# Altium PCB CoinCraftA1.PcbDoc (part 3 of 7) (continued)
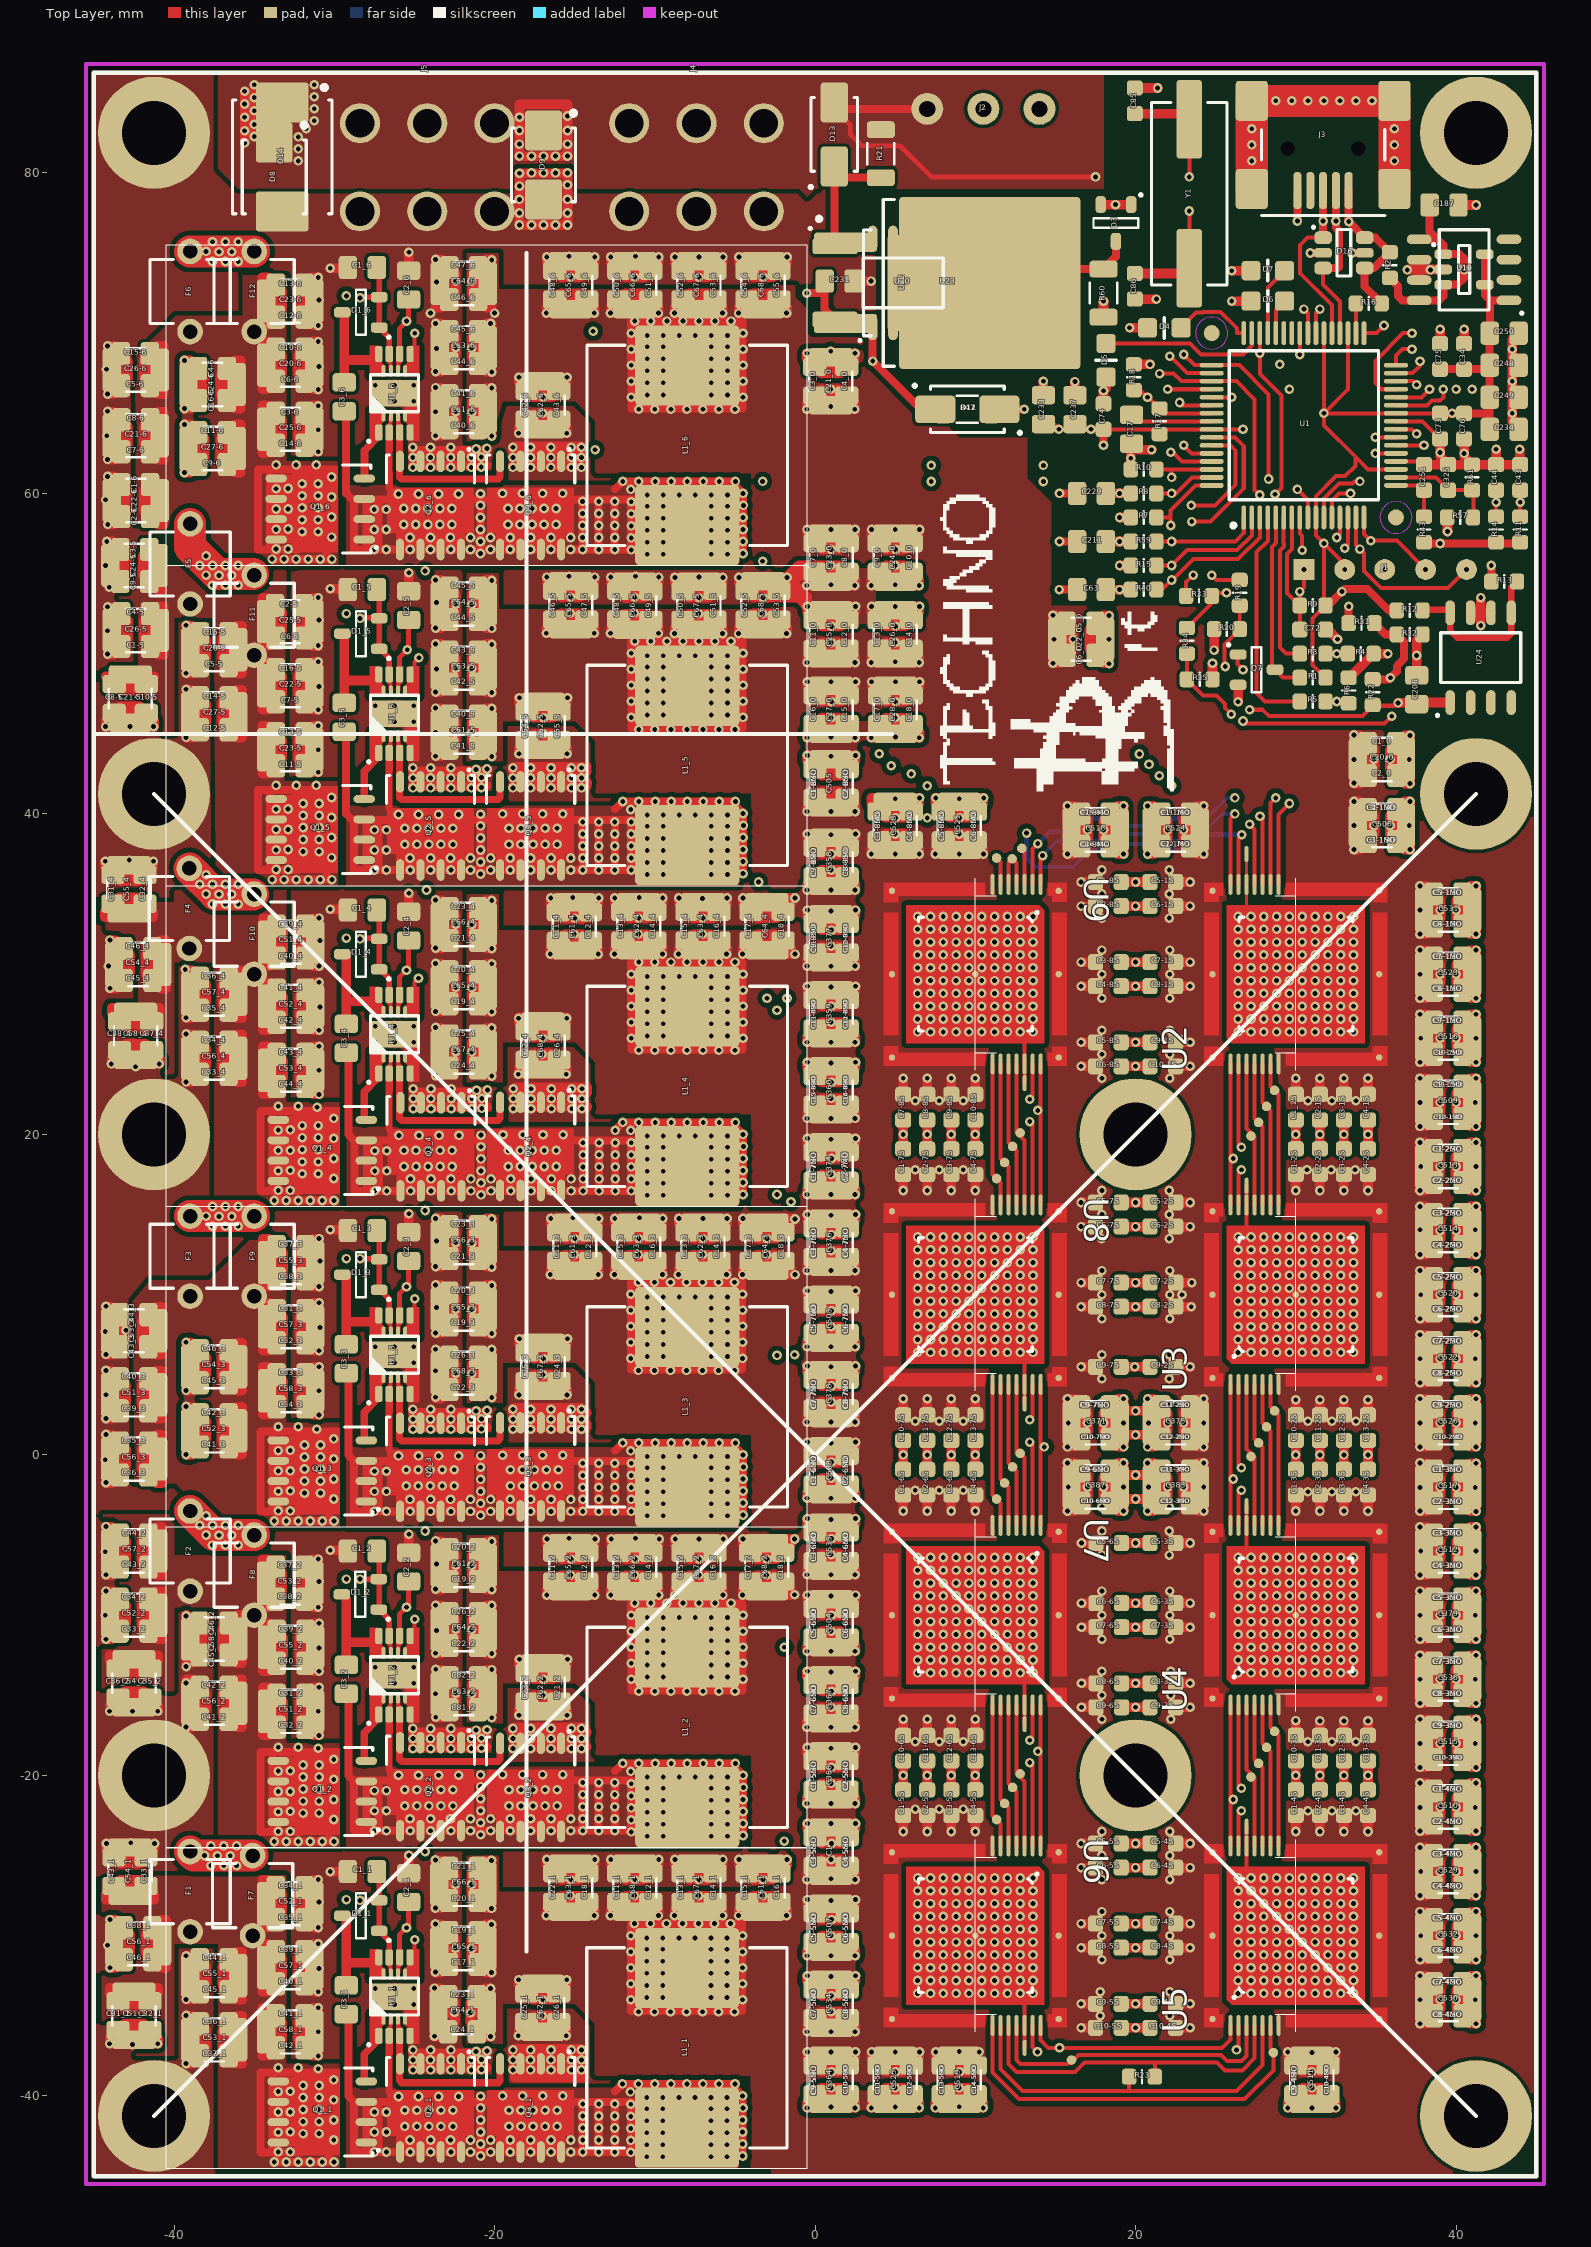
[diagram p0: Top Layer view]
## Nets (pads, with @x,y where several pads share a name; then routed paths per layer and width w, separated by ;. In a path a pad name is that pad's centre, name@x,y a point inside that pad or via, vN(x,y) a via of type N, cw(c..) or ccw(c..) an arc to the next point about the centre after c; other vN are vias at no path point) (continued)
  Top Layer w0.6: C41_5.1@-20.602,43.673 -21.428,44.5 v1@-21.428,45.1 ; C64_1.1@-20.5,-34.8 v1(-21.5,-34.8) ; C65_1.1@-20.444,-30.8 v1(-21.444,-30.8) ; C66_1.1@-20.444,-26.8 v1(-21.444,-26.8) ; C66_3.1@-20.429,13.25 v1@-21.429,13.25 ; C64_2.1@-20.428,-10.9 v1(-21.428,-10.9) ; C61_2.1@-20.429,-6.9 v1(-21.429,-6.9) ; C68_3.1@-20.429,5 v1@-21.429,5 ; C65_3.1@-20.429,9.1 v1@-21.429,9.1 ; C67_4.1@-20.429,25.148 v1(-21.429,25.148) ; C65_4.1@-20.429,29.15 v1(-21.429,29.15) ; C66_4.1@-20.429,33.1 v1(-21.429,33.1) ; C61_5.1@-20.428,45.1 v1@-21.428,45.1 ; C63_5.1@-20.428,49.1 v1@-21.428,49.1 ; C64_5.1@-20.429,53.1 v1@-21.429,53.1 ; C61_6.1@-20.429,65.1 v1@-21.429,65.1 ; C63_6.1@-20.429,69.1 v1@-21.429,69.1 ; C64_6.1@-20.429,73.1 v1@-21.429,73.1 ; C63_2.1@-20.425,-14.9 v1(-21.425,-14.9) ; v1@-20.178,43.6 -20.178,46.6 -20.528,46.6 C40_5.1@-21.028,46.1 -21.428,45.7 v1@-21.428,45.1 ; C62_1.1@-17,-33 v1(-17,-34) ; C68_4.1@-17,27.05 v1@-17,26.05 ; C62_6.1@-17,67 v1@-17,66 ; C62_5.1@-16.975,47 v1@-16.975,46 ; C62_2.1@-16.974,-13 v1@-16.974,-14 ; C67_3.1@-16.974,6.998 v1@-16.974,5.998 ; C63_1.1@-15.25,-28.5 v1@-15.25,-27.5 ; C65_2.1@-15.25,-8.5 v1(-15.25,-7.5) ; C65_5.1@-15.25,51.525 v1@-15.25,52.525 ; C65_6.1@-15.25,71.5 -15.25,72.5 ; C61_4.1@-15.025,31.475 v1@-15.025,32.475 ; C61_3.1@-15,11.5 v1@-15,12.5 ; C68_1.1@-11.25,-28.5 v1@-11.25,-27.5 ; C66_2.1@-11.25,-8.5 v1(-11.25,-7.5) ; C66_5.1@-11.25,51.5 v1@-11.25,52.5 ; C66_6.1@-11.25,71.5 -11.25,72.5 ; C63_3.1@-11,11.5 v1@-11,12.5 ; C62_4.1@-11,31.5 v1@-11,32.5 ; C67_1.1@-7.25,-28.5 v1@-7.25,-27.5 ; C67_2.1@-7.25,-8.5 v1(-7.25,-7.5) ; C67_5.1@-7.25,51.5 v1@-7.25,52.5 ; C67_6.1@-7.25,71.5 -7.25,72.5 ; C62_3.1@-7,11.5 v1@-7,12.5 ; C63_4.1@-7,31.5 v1@-7,32.5 ; C61_1.1@-3.25,-28.5 v1@-3.25,-27.5 ; C68_5.1@-3.25,51.525 v1@-3.25,52.525 ; C68_6.1@-3.25,71.5 -3.25,72.5 ; C68_2.1@-3.025,-8.5 v1(-3.025,-7.5) ; C64_3.1@-3,11.5 v1@-3,12.5 ; C64_4.1@-3,31.5 -3,32.5 ; C21_0.1@0.975,65.5 v1(0.975,66.5) ; C366.1@0.999,-18.5 v1@0.999,-19.5 ; C367.1@0.999,-16.75 v1(0.999,-15.75) ; C364.1@1,-37.5 v1@1,-38.5 ; C534.1@1,-35.75 v1(1,-34.75) ; C507.1@1,-28 v1@1,-29 ; C1.1@1,-26.25 v1@1,-25.25 ; C504.1@1,-9 v1@1,-10 ; C533.1@1,-7.225 v1(1,-6.225) ; C508.1@1,0.55 v1@1,-0.45 ; C378.1@1,2.3 v1(1,3.3) ; C503.1@1,10 v1@1,9 ; C376.1@1,11.75 v1(1,12.75) ; C374.1@1,19.5 v1@1,18.5 ; C360.1@1,21.25 v1(1,22.25) ; C359.1@1,29 v1@1,28 ; C377.1@1,30.75 v1(1,31.75) ; C358.1@1,38.5 v1@1,37.5 ; C505.1@1,40.4 1,41.4 ; C27_0.1@1,48 v1@1,47 ; C25_0.1@1,49.7 v1(1,50.7) ; C23_0.1@1,57.5 v1(1,56.5) ; C525.1@5,-37.5 v1@5,-38.5 ; C528.1@5,37.75 v1(5,38.75) ; C26_0.1@5,49.7 v1(5,50.7) ; C24_0.1@5,57.5 v1@5,56.5 ; C28_0.1@5.025,48 v1(5.025,47) ; C7-8S.1@5.5,22.6 v1(5.5,23.5) ; v1(5.5,-23.5) C1-5S.1@5.5,-22.6 ; C10-6S.1@5.5,-17.4 v1(5.5,-16.5) ; v1(5.5,-3.5) C1-6S.1@5.5,-2.6 ; C10-7S.1@5.501,2.6 v1(5.501,3.5) ; v1(5.5,16.5) C1-7S.1@5.5,17.4 ; C8-8S.1@6.999,22.6 v1(6.999,23.5) ; v1(7,-23.5) C2-5S.1@7,-22.6 ; C11-6S.1@7,-17.4 v1(7,-16.5) ; v1(7,-3.5) C2-6S.1@7,-2.6 ; C11-7S.1@7,2.6 v1(7,3.5) ; v1(7,16.5) C2-7S.1@7,17.4 ; v1@7.5,-37.25 7.5,-37.6 8.4,-38.5 v1@9,-38.5 ; v1(8.5,-23.5) C3-5S.1@8.5,-22.6 ; C12-6S.1@8.5,-17.4 v1(8.5,-16.5) ; v1(8.5,-3.5) C3-6S.1@8.5,-2.6 ; C12-7S.1@8.501,2.6 v1(8.501,3.5) ; v1(8.5,16.5) C3-7S.1@8.5,17.4 ; C9-8S.1@8.5,22.6 v1(8.5,23.5) ; C519.1@9,-37.5 v1@9,-38.5 ; C521.1@9.001,37.75 v1(9,38.75) ; C14-5MO.1@10,-38.1 9.599,-38.5 v1@9,-38.5 ; v1(10,-23.5) C4-5S.1@10,-22.6 ; C13-6S.1@10,-17.4 v1(10,-16.5) ; v1(10,-3.5) C4-6S.1@10,-2.6 ; v1(10,16.5) C4-7S.1@10,17.4 ; C10-8S.1@10,22.6 v1(10,23.5) ; C13-7S.1@10.001,2.6 v1(10.001,3.5) ; C22_0.1@15.1,50.9 v1(16.1,50.9) ; C387.1@16,-2 v1(17,-2) ; C371.1@16,2 v1(17,2) ; C518.1@16,39 v1(17,39) ; v1(16.6,-35.75) C10-5S.1@17.5,-35.75 ; v1(16.6,-34.25) C9-5S.1@17.5,-34.25 ; v1(16.6,-30.75) C8-5S.1@17.5,-30.75 ; v1(16.6,-29.25) C7-5S.1@17.5,-29.25 ; v1(16.6,-25.75) C6-5S.1@17.5,-25.75 ; v1(16.6,-24.25) C5-5S.1@17.5,-24.25 ; v1(16.6,5.5) C9-7S.1@17.5,5.5 ; v1(16.6,9.25) C8-7S.1@17.5,9.25 ; v1(16.6,10.75) C7-7S.1@17.5,10.75 ; v1(16.6,14.25) C6-7S.1@17.5,14.25 ; v1(16.6,15.75) C5-7S.1@17.5,15.75 ; v1(16.6,24.25) C6-8S.1@17.5,24.25 ; v1(16.6,25.75) C5-8S.1@17.5,25.75 ; v1(16.6,29.25) C4-8S.1@17.5,29.25 ; v1(16.6,30.75) C3-8S.1@17.5,30.75 ; v1(16.6,34.25) C2-8S.1@17.5,34.25 ; v1(16.6,35.75) C1-8S.1@17.5,35.75 ; v1(16.625,-15.75) C9-6S.1@17.525,-15.75 ; v1(16.625,-14.25) C8-6S.1@17.525,-14.25 ; v1(16.625,-10.75) C7-6S.1@17.525,-10.75 ; v1(16.625,-9.25) C6-6S.1@17.525,-9.25 ; v1(16.625,-5.5) C5-6S.1@17.525,-5.5 ; C10-4S.1@22.5,-35.75 v1(23.4,-35.75) ; C9-4S.1@22.5,-34.25 v1(23.4,-34.25) ; C8-4S.1@22.5,-30.75 v1(23.4,-30.75) ; C7-4S.1@22.5,-29.25 v1(23.4,-29.25) ; C6-4S.1@22.5,-25.75 v1(23.4,-25.75) ; C5-4S.1@22.5,-24.25 v1(23.4,-24.25) ; C9-3S.1@22.5,-15.75 v1(23.4,-15.75) ; C8-3S.1@22.5,-14.25 v1(23.4,-14.25) ; C7-3S.1@22.5,-10.75 v1(23.4,-10.75) ; C6-3S.1@22.5,-9.25 v1(23.4,-9.25) ; C5-3S.1@22.5,-5.5 v1(23.4,-5.5) ; C9-2S.1@22.5,5.5 v1(23.4,5.5) ; C7-2S.1@22.5,10.75 v1@23.4,10.75 ; C6-2S.1@22.5,14.25 v1(23.4,14.25) ; C5-2S.1@22.5,15.75 v1(23.4,15.75) ; C10-1S.1@22.5,24.25 v1(23.4,24.25) ; C9-1S.1@22.5,25.75 v1(23.4,25.75) ; C8-1S.1@22.5,29.25 v1(23.4,29.25) ; C7-1S.1@22.5,30.75 v1(23.4,30.75) ; C6-1S.1@22.5,34.25 v1(23.4,34.25) ; C5-1S.1@22.5,35.75 v1(23.4,35.75) ; C8-2S.1@22.575,9.25 v1(23.475,9.25) ; C383.1@24,-2 v1(23,-2) ; C375.1@24,2 v1(23,2) ; C524.1@24,39.001 v1@23,39.001 ; v1(30,-23.5) C1-4S.1@30,-22.6 ; C10-3S.1@30,-17.425 v1(30,-16.581) ; v1(30,-3.5) C1-3S.1@30,-2.6 ; C10-2S.1@30,2.543 v1(30,3.443) ; v1(30,16.5) C1-2S.1@30,17.4 ; C1_1S.1@30,22.6 v1(30,23.5) ; C511.1@31,-37.5 v1(31,-38.5) ; v1(31.5,-23.5) C2-4S.1@31.5,-22.6 ; C11-3S.1@31.5,-17.5 v1(31.5,-16.6) ; v1(31.5,-3.5) C2-3S.1@31.5,-2.6 ; C11-2S.1@31.5,2.543 v1(31.5,3.443) ; v1(31.5,16.5) C2-2S.1@31.5,17.4 ; C2-1S.1@31.5,22.6 v1(31.5,23.5) ; v1(33,-23.5) C3-4S.1@33,-22.6 ; C12-3S.1@33,-17.5 v1(33,-16.6) ; v1(33,-3.5) C3-3S.1@33,-2.6 ; C12-2S.1@33,2.543 v1(33,3.443) ; v1(33,16.5) C3-2S.1@33,17.4 ; C3-1S.1@33,22.6 v1(33,23.5) ; C506.1@33.876,39.275 v1(34.877,39.275) ; C20_0.1@33.878,43.4 v1@34.878,43.4 ; v1(34.5,-23.5) C4-4S.1@34.5,-22.6 ; v1(34.5,-3.5) C4-3S.1@34.5,-2.6 ; v1(34.5,16.5) C4-2S.1@34.5,17.4 ; C4-1S.1@34.5,22.6 v1(34.5,23.5) ; C13-3S.1@34.5,-17.5 v1(34.5,-16.6) ; C13-2S.1@34.5,2.543 v1(34.5,3.443) ; C536.1@37.966,-14 v1@38.966,-14 ; C513.1@37.966,18 v1@38.966,18 ; C530.1@38,-34 v1(39,-34) ; C532.1@38,-30 v1(39,-30) ; C529.1@38,-26 v1(39,-26) ; C510.1@38,-21.975 v1(39,-21.975) ; C515.1@38,-18 v1(39,-18) ; C379.1@38,-10 v1(39,-10) ; C512.1@38,-6 v1(39,-6) ; C517.1@38,-2.025 v1@39,-2.025 ; C526.1@38,2 v1(39,2) ; C522.1@38,6 v1(39,6) ; C520.1@38,10 v1(39,10) ; C514.1@38,14 v1(39,14) ; C509.1@38,22 v1(39,22) ; C516.1@38,26 v1(39,26) ; C523.1@38,30 v1(39,30) ; C531.1@38,34 v1(39,34) ; v1(-21.5,-34.8) -21.5,-34.2 C23_1.1@-21.1,-33.8 -20.6,-33.3 v1(-20.25,-33.3) v1(-20.25,-36.3) -20.6,-36.3 -21.5,-35.4 v1(-21.5,-34.8) ; v1(-21.444,-30.8) -21.444,-30.2 C19_1.1@-21.044,-29.8 -20.544,-29.3 v1(-20.194,-29.3) v1(-20.194,-32.3) -20.544,-32.3 -21.444,-31.4 v1(-21.444,-30.8) ; v1(-21.444,-26.8) -21.444,-26.2 C21_1.1@-21.044,-25.8 -20.544,-25.3 v1(-20.194,-25.3) v1(-20.194,-28.3) -20.544,-28.3 -21.444,-27.4 v1(-21.444,-26.8) ; v1(-21.428,-10.9) -21.428,-11.5 -20.528,-12.4 v1(-20.178,-12.4) v1(-20.178,-9.4) -20.528,-9.4 -21.428,-10.3 v1(-21.428,-10.9) ; v1(-21.429,-6.9) -21.429,-7.5 -20.529,-8.4 v1(-20.179,-8.4) v1(-20.179,-5.4) -20.529,-5.4 -21.429,-6.3 v1(-21.429,-6.9) ; v1@-21.429,5 -21.429,5.6 -20.529,6.5 -20.179,6.5 v1(-20.179,3.575) -20.322,3.718 -20.746,3.718 -21.429,4.4 v1@-21.429,5 ; v1@-21.429,9.1 -21.429,9.7 C20_3.1@-21.029,10.1 -20.529,10.6 -20.179,10.6 -20.179,7.6 -20.529,7.6 -21.429,8.5 v1@-21.429,9.1 ; v1@-21.429,13.25 -21.429,13.85 C23_3.1@-21.029,14.25 -20.529,14.75 -20.179,14.75 -20.179,11.75 -20.529,11.75 -21.429,12.65 v1@-21.429,13.25 ; v1(-21.429,25.148) -21.429,24.548 -20.529,23.648 v1(-20.179,23.648) v1(-20.179,26.648) -20.529,26.648 -21.429,25.748 v1(-21.429,25.148) ; v1(-21.429,29.15) -21.429,28.55 -20.529,27.65 v1(-20.179,27.65) v1(-20.179,30.65) -20.529,30.65 -21.429,29.75 v1(-21.429,29.15) ; v1(-21.429,33.1) -21.429,32.5 -20.529,31.6 v1(-20.179,31.6) v1(-20.179,34.6) -20.529,34.6 -21.429,33.7 v1(-21.429,33.1) ; v1@-21.428,49.1 -21.428,49.7 C43_5.1@-21.028,50.1 -20.528,50.6 -20.178,50.6 -20.178,47.6 -20.528,47.6 -21.428,48.5 v1@-21.428,49.1 ; v1@-21.429,53.1 -21.429,53.7 C45_5.1@-21.029,54.1 -20.529,54.6 -20.179,54.6 -20.179,51.6 -20.529,51.6 -21.429,52.5 v1@-21.429,53.1 ; v1@-21.429,65.1 -21.429,64.5 -20.766,63.837 -20.416,63.837 -20.179,63.6 -20.179,66.6 -20.529,66.6 -21.429,65.7 v1@-21.429,65.1 ; v1@-21.429,69.1 -21.429,68.5 -20.529,67.6 -20.179,67.6 -20.179,70.6 -20.529,70.6 -21.429,69.7 v1@-21.429,69.1 ; v1@-21.429,73.1 -21.429,72.5 -20.529,71.6 -20.179,71.6 -20.179,74.6 -20.529,74.6 -21.429,73.7 v1@-21.429,73.1 ; v1(-21.425,-14.9) -21.425,-15.5 -20.789,-16.136 -20.439,-16.136 v1(-20.175,-16.4) v1(-20.175,-13.4) -20.525,-13.4 -21.425,-14.3 v1(-21.425,-14.9) ; v1(-17,-34) -16.4,-34 -15.5,-33.1 v1(-15.5,-32.75) v1(-18.5,-32.75) -18.5,-33.1 -17.6,-34 v1(-17,-34) ; v1@-17,26.05 -16.4,26.05 -15.5,26.95 -15.5,27.3 -18.5,27.3 -18.5,26.95 -17.6,26.05 v1@-17,26.05 ; v1@-17,66 -17.6,66 -18.5,66.9 -18.5,67.25 -15.5,67.25 -15.5,66.9 -16.4,66 v1@-17,66 ; v1@-16.975,46 -16.375,46 -15.475,46.9 -15.475,47.25 -18.475,47.25 -18.475,46.9 -17.575,46 v1@-16.975,46 ; v1@-16.974,-14 -16.374,-14 -15.474,-13.1 -15.474,-12.75 -18.474,-12.75 -18.474,-13.1 -17.574,-14 v1@-16.974,-14 ; v1@-16.974,5.998 -16.374,5.998 -15.474,6.898 -15.474,7.248 -18.474,7.248 -18.474,6.898 -17.574,5.998 v1@-16.974,5.998 ; v1@-15.25,-27.5 -15.85,-27.5 -16.75,-28.4 -16.75,-28.75 -13.75,-28.75 -13.75,-28.4 -14.65,-27.5 v1@-15.25,-27.5 ; v1(-15.25,-7.5) -14.651,-7.5 -13.751,-8.4 -13.751,-8.75 -16.751,-8.75 -16.751,-8.4 -15.851,-7.5 v1(-15.25,-7.5) ; v1@-15.25,52.525 -14.65,52.525 C47_5.1@-14.25,52.125 -13.75,51.625 -13.75,51.275 -16.75,51.275 -16.75,51.625 C46_5.1@-16.25,52.125 -15.85,52.525 v1@-15.25,52.525 ; -15.25,72.5 -15.85,72.5 -16.75,71.6 -16.75,71.25 -13.75,71.25 -13.75,71.6 -14.65,72.5 -15.25,72.5 ; v1@-15.025,32.475 -14.425,32.475 C12_4.1@-14.025,32.075 -13.525,31.575 -13.525,31.225 -16.525,31.225 -16.525,31.575 -15.625,32.475 v1@-15.025,32.475 ; v1@-15,12.5 -15.6,12.5 -16.5,11.6 -16.5,11.25 -13.5,11.25 -13.5,11.6 -14.4,12.5 v1@-15,12.5 ; v1@-11.25,-27.5 -11.85,-27.5 -12.75,-28.4 -12.75,-28.75 -9.75,-28.75 -9.75,-28.4 -10.65,-27.5 v1@-11.25,-27.5 ; v1(-11.25,-7.5) -10.65,-7.5 -9.75,-8.4 v1(-9.75,-8.75) v1(-12.75,-8.75) -12.75,-8.4 -11.85,-7.5 v1(-11.25,-7.5) ; v1@-11.25,52.5 -10.65,52.5 C49_5.1@-10.25,52.1 -9.75,51.6 -9.75,51.25 -12.75,51.25 -12.75,51.6 -11.85,52.5 v1@-11.25,52.5 ; -11.25,72.5 -11.85,72.5 -12.75,71.6 -12.75,71.25 -9.75,71.25 -9.75,71.6 -10.65,72.5 -11.25,72.5 ; v1@-11,12.5 -11.6,12.5 -12.5,11.6 -12.5,11.25 -9.5,11.25 -9.5,11.6 -10.4,12.5 v1@-11,12.5 ; v1@-11,32.5 -10.4,32.5 -9.5,31.6 -9.5,31.25 -12.5,31.25 -12.5,31.6 -11.6,32.5 v1@-11,32.5 ; v1@-7.25,-27.5 -6.65,-27.5 -5.75,-28.4 -5.75,-28.75 -8.75,-28.75 -8.75,-28.4 -7.85,-27.5 v1@-7.25,-27.5 ; v1(-7.25,-7.5) -6.65,-7.5 -5.75,-8.4 v1(-5.75,-8.75) v1(-8.75,-8.75) -8.75,-8.4 -7.85,-7.5 v1(-7.25,-7.5) ; v1@-7.25,52.5 -6.65,52.5 -5.75,51.6 -5.75,51.25 -8.75,51.25 -8.75,51.6 -7.85,52.5 v1@-7.25,52.5 ; -7.25,72.5 -7.85,72.5 -8.75,71.6 -8.75,71.25 -5.75,71.25 -5.75,71.6 -6.65,72.5 -7.25,72.5 ; v1@-7,12.5 -7.6,12.5 -8.5,11.6 -8.5,11.25 -5.5,11.25 -5.5,11.6 -6.4,12.5 v1@-7,12.5 ; v1@-7,32.5 -6.4,32.5 -5.5,31.6 -5.5,31.25 -8.5,31.25 -8.5,31.6 -7.6,32.5 v1@-7,32.5 ; v1@-3.25,-27.5 -2.65,-27.5 -1.75,-28.4 -1.75,-28.75 -4.75,-28.75 -4.75,-28.4 -3.85,-27.5 v1@-3.25,-27.5 ; v1@-3.25,52.525 -2.65,52.525 C53_5.1@-2.25,52.125 -1.75,51.625 -1.75,51.275 -4.75,51.275 -4.75,51.625 -3.85,52.525 v1@-3.25,52.525 ; -3.25,72.5 -3.85,72.5 -4.75,71.6 -4.75,71.25 -1.75,71.25 -1.75,71.6 -2.65,72.5 -3.25,72.5 ; v1(-3.025,-7.5) -2.425,-7.5 -1.525,-8.4 -1.525,-8.75 v1(-4.525,-8.75) -4.525,-8.4 -3.625,-7.5 v1(-3.025,-7.5) ; v1@-3,12.5 -3.6,12.5 -4.5,11.6 -4.5,11.25 -1.5,11.25 -1.5,11.6 -2.4,12.5 v1@-3,12.5 ; -3,32.5 -2.4,32.5 -1.5,31.6 -1.5,31.25 -4.5,31.25 -4.5,31.6 -3.6,32.5 -3,32.5 ; v1(0.975,66.5) 1.575,66.5 2.475,65.6 v1(2.475,65.25) v1(-0.525,65.25) -0.525,65.6 0.375,66.5 v1(0.975,66.5) ; v1@0.999,-19.5 0.399,-19.5 -0.501,-18.6 -0.501,-18.25 2.499,-18.25 2.499,-18.6 1.599,-19.5 v1@0.999,-19.5 ; v1(0.999,-15.75) 0.399,-15.75 -0.501,-16.65 v1(-0.501,-17) v1(2.499,-17) 2.499,-16.65 1.599,-15.75 v1(0.999,-15.75) ; v1@1,-38.5 0.4,-38.5 C9-5MO.1@0,-38.1 -0.5,-37.6 -0.5,-37.25 2.5,-37.25 2.5,-37.6 1.6,-38.5 v1@1,-38.5 ; v1(1,-34.75) 0.4,-34.75 -0.5,-35.65 v1(-0.5,-36) v1(2.5,-36) 2.5,-35.65 1.6,-34.75 v1(1,-34.75) ; v1@1,-29 0.4,-29 C5-5MO.1@0,-28.6 -0.5,-28.1 -0.5,-27.75 2.5,-27.75 2.5,-28.1 1.6,-29 v1@1,-29 ; v1@1,-25.25 0.4,-25.25 -0.5,-26.15 v1(-0.501,-26.5) v1(2.499,-26.5) 2.5,-26.15 1.6,-25.25 v1@1,-25.25 ; v1@1,-10 0.4,-10 -0.5,-9.1 -0.5,-8.75 2.5,-8.75 2.5,-9.1 1.6,-10 v1@1,-10 ; v1(1,-6.225) 0.4,-6.225 -0.5,-7.125 v1(-0.5,-7.475) v1(2.5,-7.475) 2.5,-7.125 1.6,-6.225 v1(1,-6.225) ; v1@1,-0.45 0.4,-0.45 -0.5,0.45 -0.5,0.8 2.5,0.8 2.5,0.45 1.6,-0.45 v1@1,-0.45 ; v1(1,3.3) 0.4,3.3 -0.5,2.4 v1(-0.5,2.05) v1(2.5,2.05) 2.5,2.4 1.6,3.3 v1(1,3.3) ; v1@1,9 0.4,9 C5-7MO.1@0,9.4 -0.5,9.9 -0.5,10.25 2.5,10.25 2.5,9.9 1.6,9 v1@1,9 ; v1(1,12.75) 0.4,12.75 -0.5,11.85 v1(-0.5,11.5) v1(2.5,11.5) 2.5,11.85 1.6,12.75 v1(1,12.75) ; v1@1,18.5 0.4,18.5 C1-7MO.1@0,18.9 -0.5,19.4 -0.5,19.75 2.5,19.75 2.5,19.4 C2-7MO.1@2,18.9 1.6,18.5 v1@1,18.5 ; v1(1,22.25) 0.4,22.25 -0.5,21.35 v1(-0.5,21) v1(2.5,21) 2.5,21.35 1.6,22.25 v1(1,22.25) ; v1@1,28 0.4,28 C13-8MO.1@0,28.4 -0.5,28.9 -0.5,29.25 2.5,29.25 2.5,28.9 1.6,28 v1@1,28 ; v1(1,31.75) 0.4,31.75 -0.5,30.85 v1(-0.5,30.5) v1(2.5,30.5) 2.5,30.85 1.6,31.75 v1(1,31.75) ; v1@1,37.5 0.4,37.5 -0.5,38.4 -0.5,38.75 2.5,38.75 2.5,38.4 1.6,37.5 v1@1,37.5 ; 1,41.4 1.6,41.4 2.5,40.5 v1(2.5,40.15) v1(-0.5,40.15) -0.5,40.5 C1-8MO.1@0,41 0.4,41.4 1,41.4 ; v1@1,47 1.6,47 2.5,47.9 2.5,48.25 -0.5,48.25 -0.5,47.9 0.4,47 v1@1,47 ; v1(1,50.7) 1.6,50.7 2.5,49.8 v1(2.5,49.45) v1(-0.5,49.45) -0.5,49.8 0.4,50.7 v1(1,50.7) ; v1(1,56.5) 1.6,56.5 2.5,57.4 v1(2.5,57.75) v1(-0.5,57.75) -0.5,57.4 0.4,56.5 v1(1,56.5) ; v1@5,-38.5 4.4,-38.5 3.5,-37.6 3.5,-37.25 6.5,-37.25 6.5,-37.6 5.6,-38.5 v1@5,-38.5 ; v1(5,38.75) 5.6,38.75 C4-8MO.1@6,38.35 6.5,37.85 v1(6.5,37.5) v1(3.5,37.5) 3.5,37.85 4.4,38.75 v1(5,38.75) ; v1(5,50.7) 5.6,50.7 6.5,49.8 v1(6.5,49.45) v1(3.5,49.45) 3.5,49.8 4.4,50.7 v1(5,50.7) ; v1@5,56.5 5.6,56.5 6.5,57.4 6.5,57.75 3.5,57.75 3.5,57.4 4.4,56.5 v1@5,56.5 ; v1(5.025,47) 5.625,47 6.525,47.9 v1(6.525,48.25) v1(3.525,48.25) 3.525,47.9 4.425,47 v1(5.025,47) ; v1(9,38.75) 9.6,38.75 10.5,37.85 v1(10.5,37.5) v1(7.5,37.5) 7.5,37.85 8.401,38.75 v1(9,38.75) ; v1(16.1,50.9) 16.1,50.3 15.2,49.4 v1(14.85,49.4) v1(14.85,52.4) 15.2,52.4 16.1,51.5 v1(16.1,50.9) ; v1(17,-2) 17,-2.6 16.1,-3.5 v1(15.75,-3.5) v1(15.75,-0.5) 16.1,-0.5 17,-1.4 v1(17,-2) ; v1(17,2) 17,1.4 16.1,0.5 v1(15.75,0.5) v1(15.75,3.5) 16.1,3.5 17,2.6 v1(17,2) ; v1(17,39) 17,39.6 16.1,40.5 v1(15.75,40.5) v1(15.75,37.5) 16.1,37.5 17,38.4 v1(17,39) ; v1(23,-2) 23,-2.6 23.9,-3.5 v1(24.25,-3.5) v1(24.25,-0.5) 23.9,-0.5 23,-1.4 v1(23,-2) ; v1(23,2) 23,1.4 23.9,0.5 v1(24.25,0.5) v1(24.25,3.5) 23.9,3.5 23,2.6 v1(23,2) ; v1@23,39.001 23,38.401 23.9,37.501 v1(24.25,37.5) v1(24.25,40.5) 23.9,40.501 23,39.601 v1@23,39.001 ; v1(31,-38.5) 30.4,-38.5 29.5,-37.6 v1(29.5,-37.25) 32.5,-37.25 32.5,-37.6 31.6,-38.5 v1(31,-38.5) ; v1(34.877,39.275) 34.876,39.875 33.976,40.775 v1(33.627,40.775) v1(33.627,37.775) 33.976,37.775 34.876,38.675 v1(34.877,39.275) ; v1@34.878,43.4 34.878,42.8 33.978,41.9 33.628,41.9 33.628,44.9 33.978,44.9 34.878,44 v1@34.878,43.4 ; v1@38.966,-14 38.966,-14.6 38.066,-15.5 37.716,-15.5 37.716,-12.5 38.066,-12.5 38.966,-13.4 v1@38.966,-14 ; v1@38.966,18 38.966,17.4 38.066,16.5 37.716,16.5 37.716,19.5 38.066,19.5 38.966,18.6 v1@38.966,18 ; v1(39,-34) 39,-34.6 38.1,-35.5 v1(37.75,-35.5) v1(37.75,-32.5) 38.1,-32.5 39,-33.4 v1(39,-34) ; v1(39,-30) 39,-30.6 C6-4MO.1@38.6,-31 38.1,-31.5 v1(37.75,-31.5) v1(37.75,-28.5) 38.1,-28.5 C5-4MO.1@38.6,-29 39,-29.4 v1(39,-30) ; v1(39,-26) 39,-26.6 38.1,-27.5 v1(37.75,-27.5) v1(37.75,-24.5) 38.1,-24.5 39,-25.4 v1(39,-26) ; v1(39,-21.975) 39,-22.575 38.1,-23.475 v1(37.75,-23.475) v1(37.75,-20.475) 38.1,-20.475 39,-21.375 v1(39,-21.975) ; v1(39,-18) 39,-18.6 38.1,-19.5 v1(37.75,-19.5) v1(37.75,-16.5) 38.1,-16.5 39,-17.4 v1(39,-18) ; v1(39,-10) 39,-10.6 C6-3MO.1@38.6,-11 38.1,-11.5 v1(37.75,-11.5) v1(37.75,-8.5) 38.1,-8.5 C5-3MO.1@38.6,-9 39,-9.4 v1(39,-10) ; v1(39,-6) 39,-6.6 C4-3MO.1@38.6,-7 38.1,-7.5 v1(37.75,-7.5) v1(37.75,-4.5) 38.1,-4.5 39,-5.4 v1(39,-6) ; v1@39,-2.025 39,-2.625 38.1,-3.525 37.75,-3.525 37.75,-0.525 38.1,-0.525 39,-1.425 v1@39,-2.025 ; v1(39,2) 39,1.4 C10-2MO.1@38.6,1 38.1,0.5 v1(37.75,0.5) v1(37.75,3.5) 38.1,3.5 39,2.6 v1(39,2) ; v1(39,6) 39,5.4 C8-2MO.1@38.6,5 38.1,4.5 v1(37.75,4.5) v1(37.75,7.5) 38.1,7.5 39,6.6 v1(39,6) ; v1(39,10) 39,9.4 38.1,8.5 v1(37.75,8.5) v1(37.75,11.5) 38.1,11.5 39,10.6 v1(39,10) ; v1(39,14) 39,13.4 C4-2MO.1@38.6,13 38.1,12.5 v1(37.75,12.5) v1(37.75,15.5) 38.1,15.5 39,14.6 v1(39,14) ; v1(39,22) 39,21.4 38.1,20.5 v1(37.75,20.5) v1(37.75,23.5) 38.1,23.5 39,22.6 v1(39,22) ; v1(39,26) 39,25.4 38.1,24.5 v1(37.75,24.5) v1(37.75,27.5) 38.1,27.5 39,26.6 v1(39,26) ; v1(39,30) 39,29.4 C8-1MO.1@38.6,29 38.1,28.5 v1(37.75,28.5) v1(37.75,31.5) 38.1,31.5 C7-1MO.1@38.6,31 39,30.6 v1(39,30) ; v1(39,34) 39,33.4 C6-1MO.1@38.6,33 38.1,32.5 v1(37.75,32.5) v1(37.75,35.5) 38.1,35.5 39,34.6 v1(39,34)
  other v1: 1.025,-38.5 5.025,-38.5 9.025,-38.5 31,-37.3 -0.475,-37.25 1,-37.25 2.525,-37.25 3.525,-37.25 5,-37.25 6.525,-37.25 7.525,-37.25 10.25,-37.25 32.5,-37.25 8.999,-37.225 1,-36 17.8,-35 22.138,-35 -11.025,-34.75 -10.025,-34.75 -9.025,-34.75 -8.025,-34.75 -7.025,-34.75 -6.025,-34.75 -5.025,-34.75 -11.5,-34 -4.525,-34 37.75,-34 17.8,-33.5 22.138,-33.5 -10.5,-33.1 -9.5,-33.1 -6.5,-33.1 -5.5,-33.1 -11.5,-33 -4.525,-33 -10.5,-32.35 -9.5,-32.35 -6.5,-32.35 -5.5,-32.35 -11.5,-32 -4.525,-32 -10.5,-31.6 -9.5,-31.6 -6.5,-31.6 -5.5,-31.6 17.9,-31.5 22.138,-31.5 -11.5,-31 -4.525,-31 -10.5,-30.85 -9.5,-30.85 -6.5,-30.85 -5.5,-30.85 -10.5,-30.15 -11.5,-30 -4.525,-30 17.9,-30 22.138,-30 37.8,-30 -11.275,-29.25 -10.275,-29.25 -9.275,-29.25 -8.275,-29.25 -7.275,-29.25 -6.275,-29.25 -5.275,-29.25 1.025,-29 -16.775,-28.75 -13.775,-28.75 -12.775,-28.75 -9.775,-28.75 -8.775,-28.75 -5.775,-28.75 -4.775,-28.75 -1.775,-28.75 17.9,-28.5 22.138,-28.5 1,-27.8 -0.475,-27.75 2.525,-27.75 -15.275,-27.5 -11.275,-27.5 -7.275,-27.5 -3.275,-27.5 17.9,-26.5 22.138,-26.5 1,-26.45 37.8,-26 0.999,-25.25 17.9,-25 22.138,-25 17.9,-23.5 22.138,-23.5 30.75,-22.2 32.25,-22.2 33.75,-22.2 6.25,-22.1 7.75,-22.1 9.25,-22.1 37.75,-22 1.024,-19.5 0.999,-18.3 -0.476,-18.25 2.524,-18.25 37.75,-18 6.25,-17.9 7.75,-17.9 9.25,-17.9 30.75,-17.9 32.25,-17.9 33.75,-17.9 0.999,-17 17.9,-16.5 22.2,-16.5 37.75,-15.5 17.9,-15 22.2,-15 -11,-14.75 -10,-14.75 -9,-14.75 -8,-14.75 -7,-14.75 -6,-14.75 -5,-14.75 -16.95,-14 -11.475,-14 -4.5,-14 37.75,-14 39,-14 17.9,-13.5 22.2,-13.5 -10.475,-13.1 -9.475,-13.1 -6.475,-13.1 -5.475,-13.1 -11.475,-13 -4.5,-13 -18.45,-12.75 -15.45,-12.75 37.75,-12.5 -10.475,-12.35 -9.475,-12.35 -6.475,-12.35 -5.475,-12.35 -11.475,-12 -4.5,-12 -10.475,-11.6 -9.475,-11.6 -6.475,-11.6 -5.475,-11.6 17.9,-11.5 22.138,-11.5 -11.475,-11 -4.5,-11 -10.475,-10.85 -9.475,-10.85 -6.475,-10.85 -5.475,-10.85 -10.475,-10.15 -11.475,-10 -4.5,-10 1.025,-10 17.9,-10 22.138,-10 37.75,-10 -11.25,-9.25 -10.25,-9.25 -9.25,-9.25 -8.25,-9.25 -7.25,-9.25 -6.25,-9.25 -5.25,-9.25 1,-8.8 -16.75,-8.75 -13.75,-8.75 -0.475,-8.75 2.525,-8.75 -1.275,-8.725 17.9,-8.5 22.138,-8.5 1,-7.475 17.9,-6.25 22.1,-6.25 37.8,-6 17.9,-4.75 22.1,-4.75 37.75,-3.5 30.75,-2.3 32.25,-2.3 33.75,-2.3 6.25,-2.2 7.75,-2.2 9.25,-2.2 37.75,-2.025 15.8,-2 24.25,-2 39,-2 37.75,-0.5 1.025,-0.45 1,0.75 -0.475,0.8 2.525,0.8 15.8,2 24.25,2 37.75,2 1,2.05 6.25,2.1 7.75,2.1 9.25,2.1 30.75,2.1 32.25,2.1 33.75,2.1 17.9,4.75 22.1,4.75 -21.429,5.075 -11.025,5.275 -10.025,5.275 -9.025,5.275 -8.025,5.275 -7.025,5.275 -6.025,5.275 -5.025,5.275 -16.949,5.998 37.75,6 -11.5,6.025 -4.525,6.025 17.9,6.25 22.1,6.25 -20.179,6.575 -10.475,6.9 -9.475,6.9 -6.475,6.9 -5.475,6.9 -11.5,7.025 -4.525,7.025 -18.449,7.248 -15.449,7.248 -20.179,7.575 -10.475,7.65 -9.475,7.65 -6.475,7.65 -5.475,7.65 -11.5,8.025 -4.525,8.025 -10.475,8.4 -9.475,8.4 -6.475,8.4 -5.475,8.4 17.9,8.5 22.138,8.5 1.025,9 -11.5,9.025 -4.525,9.025 -21.429,9.075 -10.475,9.15 -9.475,9.15 -6.475,9.15 -5.475,9.15 -10.475,9.85 17.9,10 22.138,10 22.9,10 37.8,10 -11.5,10.025 -4.525,10.025 1,10.2 -0.475,10.25 2.525,10.25 -20.179,10.575 23.5,10.75 -11.025,10.775 -10.025,10.775 -9.025,10.775 -8.025,10.775 -7.025,10.775 -6.025,10.775 -5.025,10.775 -16.525,11.25 -13.525,11.25 -12.525,11.25 -9.525,11.25 -8.525,11.25 -5.525,11.25 -4.525,11.25 -1.25,11.25 1,11.5 17.9,11.5 22.138,11.5 -20.179,11.725 -15.025,12.5 -11.025,12.5 -7.025,12.5 -3.025,12.5 -21.429,13.225 17.9,13.5 22.1,13.5 37.75,14.05 -20.179,14.725 17.9,15 22.1,15 17.9,16.5 22.1,16.5 37.75,16.5 6.25,17.8 7.75,17.8 9.25,17.8 30.7,17.8 32.2,17.8 33.7,17.8 37.8,18 39,18 1.025,18.5 37.75,19.5 1,19.7 -0.475,19.75 2.525,19.75 1,21 37.75,22 6.25,22.1 7.75,22.1 9.25,22.1 30.75,22.1 32.25,22.1 33.75,22.1 17.9,23.5 22.138,23.5 17.9,25 22.138,25 -11,25.25 -10,25.25 -9,25.25 -8,25.25 -7,25.25 -6,25.25 -5,25.25 -17,26 -11.475,26 -4.5,26 37.8,26 17.9,26.5 22.138,26.5 -10.475,26.9 -9.475,26.9 -6.475,26.9 -5.475,26.9 -11.475,27 -4.5,27 -18.5,27.25 -15.5,27.25 -10.475,27.65 -9.475,27.65 -6.475,27.65 -5.475,27.65 -11.475,28 -4.5,28 1.025,28 -10.475,28.4 -9.475,28.4 -6.475,28.4 -5.475,28.4 17.9,28.5 22.138,28.5 -11.475,29 -4.5,29 -10.475,29.15 -9.475,29.15 -6.475,29.15 -5.475,29.15 1,29.2 -0.475,29.25 2.525,29.25 -10.475,29.85 -11.475,30 -4.5,30 17.9,30 22.138,30 37.75,30 1,30.5 -11,30.75 -10,30.75 -9,30.75 -8,30.75 -7,30.75 -6,30.75 -5,30.75 -16.525,31.25 -13.525,31.25 -12.525,31.25 -9.525,31.25 -8.525,31.25 -5.525,31.25 -4.525,31.25 -1.25,31.25 17.9,31.5 22.138,31.5 -15.025,32.5 -11.025,32.5 -7.025,32.5 17.9,33.5 22.1,33.5 37.75,34 17.9,35 22.1,35 17.9,36.5 22.1,36.5 1.025,37.5 5,37.5 9.001,37.5 1,38.7 -0.475,38.75 2.525,38.75 23,39 33.626,39.275 1,40.15 33.628,41.925 33.628,43.4 34.878,43.425 -20.178,43.575 33.628,44.925 -21.428,45.075 -11,45.275 -10,45.275 -9,45.275 -8,45.275 -7,45.275 -6,45.275 -5,45.275 -16.95,46 -11.475,46.025 -4.5,46.025 -20.178,46.575 -10.475,46.925 -9.475,46.925 -6.475,46.925 -5.475,46.925 1.025,47 -11.475,47.025 -4.5,47.025 -18.45,47.25 -15.45,47.25 -20.178,47.575 -10.475,47.675 -9.475,47.675 -6.475,47.675 -5.475,47.675 -11.475,48.025 -4.5,48.025 -0.475,48.25 1,48.25 2.525,48.25 5.025,48.25 -10.475,48.425 -9.475,48.425 -6.475,48.425 -5.475,48.425 -11.475,49.025 -4.5,49.025 -21.428,49.075 -10.475,49.175 -9.475,49.175 -6.475,49.175 -5.475,49.175 4.999,49.5 -10.475,49.875 -11.475,50.025 -4.5,50.025 -20.178,50.575 -11.25,50.775 -10.25,50.775 -9.25,50.775 -8.25,50.775 -7.25,50.775 -6.25,50.775 -5.25,50.775 14.9,50.9 -8.775,51.25 -5.775,51.25 -4.775,51.25 -1.775,51.25 -16.775,51.275 -13.775,51.275 -12.775,51.275 -9.775,51.275 -20.179,51.575 -7.275,52.5 -3.275,52.5 -15.275,52.525 -11.275,52.525 -21.429,53.075 -20.179,54.575 5.025,56.5 1,57.75 3.525,57.75 5,57.75 6.525,57.75 -20.179,63.575 -21.429,65.075 -11,65.25 -10,65.25 -9,65.25 -8,65.25 -7,65.25 -6,65.25 -5,65.25 0.975,65.425 -16.975,66 -11.475,66 -4.5,66 -20.179,66.575 -10.475,66.9 -9.475,66.9 -6.475,66.9 -5.475,66.9 -11.475,67 -4.5,67 -18.475,67.25 -15.475,67.25 -20.179,67.575 -10.475,67.65 -9.475,67.65 -6.475,67.65 -5.475,67.65 -11.475,68 -4.5,68 -10.475,68.4 -9.475,68.4 -6.475,68.4 -5.475,68.4 -11.475,69 -4.5,69 -21.429,69.075 -10.475,69.15 -9.475,69.15 -6.475,69.15 -5.475,69.15 -10.475,69.85 -11.475,70 -4.5,70 -20.25,70.6 -11.25,70.75 -10.25,70.75 -9.25,70.75 -8.25,70.75 -7.25,70.75 -6.25,70.75 -5.25,70.75 -20,71.25 -16.775,71.25 -13.775,71.25 -12.775,71.25 -9.775,71.25 -8.775,71.25 -5.775,71.25 -4.775,71.25 -1.775,71.25 -21.429,73.25 -20.179,74.575